# Altium PCB PCB v0.1.PcbDoc (part 1 of 2) (continued)
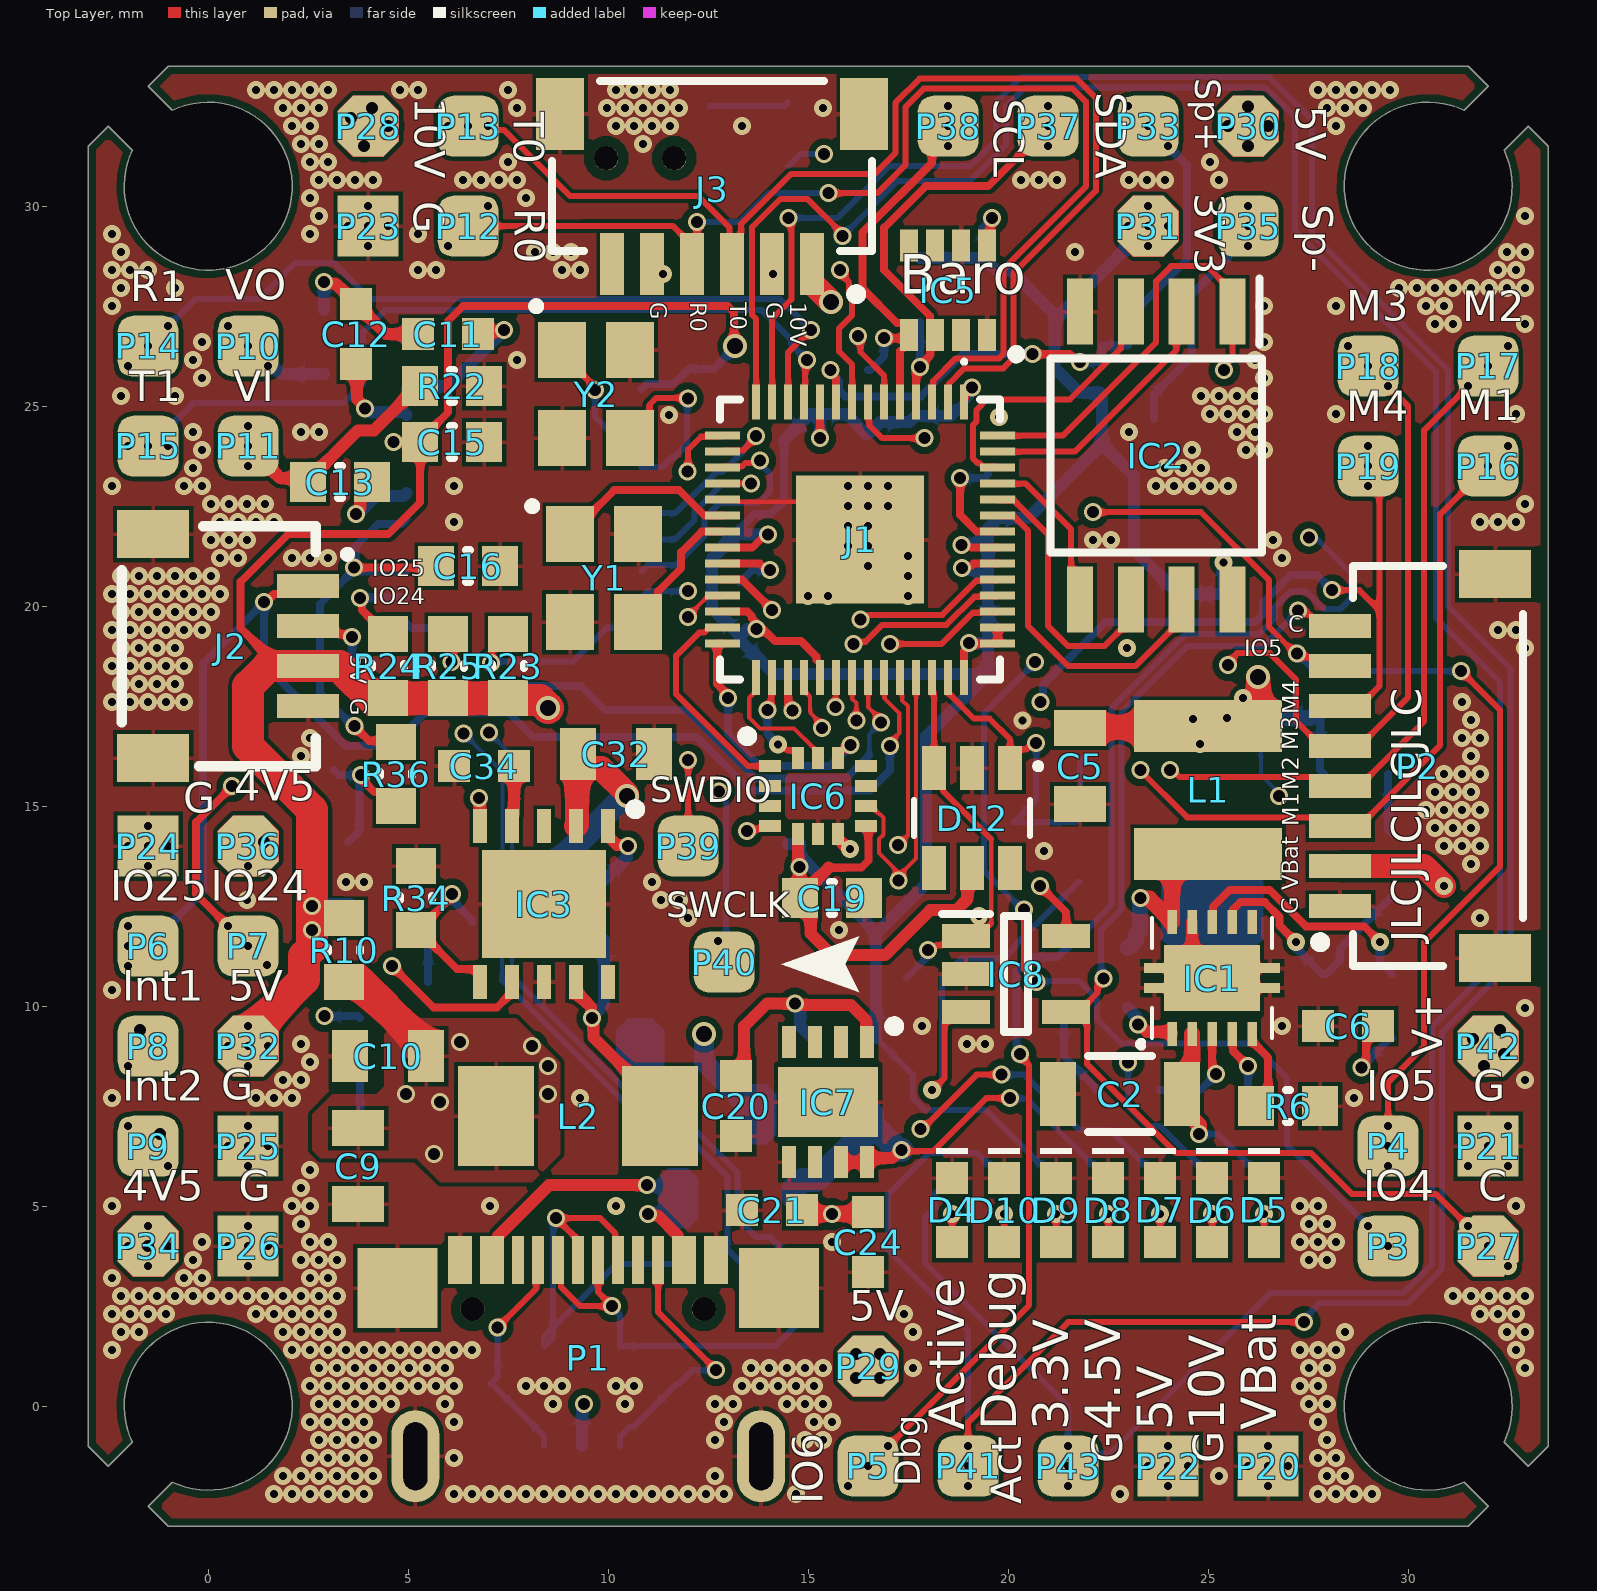
[diagram p0: Top Layer view]
## Components (designator, comment, footprint, x,y, rotation, side; value= is the part's Value field where it differs from the comment) (continued)
P6 "solder pad rounded double sided" "solder pad double sided rounded - duplicate" -1.5,11.5 r0 top
P7 "solder pad rounded double sided" "solder pad double sided rounded - duplicate" 1,11.5 r90 top
P8 "solder pad rounded double sided" "solder pad double sided rounded - duplicate" -1.5,9 r90 top
P9 "solder pad rounded double sided" "solder pad double sided rounded - duplicate" -1.5,6.5 r90 top
P10 "solder pad rounded double sided" "solder pad double sided rounded - duplicate" 1,26.5 r180 top
P11 "solder pad rounded double sided" "solder pad double sided rounded - duplicate" 1,24 r0 top
P12 "solder pad rounded double sided" "solder pad double sided rounded - duplicate" 6.5,29.5 r180 top
P13 "solder pad rounded double sided" "solder pad double sided rounded - duplicate" 6.5,32 r180 top
P14 "solder pad rounded double sided" "solder pad double sided rounded - duplicate" -1.5,26.5 r180 top
P15 "solder pad rounded double sided" "solder pad double sided rounded - duplicate" -1.5,24 r180 top
P16 "solder pad rounded double sided" "solder pad double sided rounded - duplicate" 32,23.5 r90 top
P17 "solder pad rounded double sided" "solder pad double sided rounded - duplicate" 32,26 r90 top
P18 "solder pad rounded double sided" "solder pad double sided rounded - duplicate" 29,26 r90 top
P19 "solder pad rounded double sided" "solder pad double sided rounded - duplicate" 29,23.5 r90 top
P20 "solder pad square double sided" "solder pad double sided square" 26.5,-1.5 r90 top
P21 "solder pad square double sided" "solder pad double sided square" 32,6.5 r0 top
P22 "solder pad square double sided" "solder pad double sided square" 24,-1.5 r90 top
P23 "solder pad square double sided" "solder pad double sided square" 4,29.5 r180 top
P24 "solder pad square double sided" "solder pad double sided square" -1.5,14 r180 top
P25 "solder pad square double sided" "solder pad double sided square" 1,6.5 r180 top
P26 "solder pad square double sided" "solder pad double sided square" 1,4 r90 top
P27 "solder pad chamfered double sided" "solder pad double sided chamfered" 32,4 r90 top
P28 "solder pad chamfered double sided" "solder pad double sided chamfered" 4,32 r180 top
P29 "solder pad chamfered double sided" "solder pad double sided chamfered" 16.5,1 r180 top
P30 "solder pad chamfered double sided" "solder pad double sided chamfered" 26,32 r90 top
P31 "solder pad chamfered double sided" "solder pad double sided chamfered" 23.5,29.5 r0 top
P32 "solder pad chamfered double sided" "solder pad double sided chamfered" 1,9 r90 top
P33 "solder pad rounded double sided" "solder pad double sided rounded - duplicate" 23.5,32 r90 top
P34 "solder pad chamfered double sided" "solder pad double sided chamfered" -1.5,4 r90 top
P35 "solder pad rounded double sided" "solder pad double sided rounded - duplicate" 26,29.5 r90 top
P36 "solder pad chamfered double sided" "solder pad double sided chamfered" 1,14 r90 top
P37 "solder pad rounded double sided" "solder pad double sided rounded - duplicate" 21,32 r90 top
P38 "solder pad rounded double sided" "solder pad double sided rounded - duplicate" 18.5,32 r90 top
P39 "solder pad rounded double sided" "solder pad double sided rounded - duplicate" 12,14 r90 top
P40 "solder pad rounded double sided" "solder pad double sided rounded - duplicate" 12.9,11.1 r90 top
P41 "solder pad rounded double sided" "solder pad double sided rounded - duplicate" 19,-1.5 r0 top
P42 "solder pad chamfered double sided" "solder pad double sided chamfered" 32,9 r0 top
P43 "solder pad rounded double sided" "solder pad double sided rounded - duplicate" 21.5,-1.5 r90 top
R1 "100K" RESC0603(1608)_N 28.7,15.8 r180 bottom
R2 "15K" RESC0603(1608)_N 29.6,13.5 r90 bottom value=12K
R3 "10K" RESC0603(1608)_N 27.9,10 r90 bottom
R4 "27R" RESC0603(1608)_N 12.55,3.55 r180 bottom
R5 "27R" RESC0603(1608)_N 14.675,2.8 r270 bottom
R6 "47K" RESC0603(1608)_N 27,7.5 r180 top value=47R
R7 "5K1" RESC0603(1608)_N 11.75,-0.25 r90 bottom value=5K6
R8 "5K1" RESC0603(1608)_N 7.05,-0.25 r90 bottom value=5K6
R9 "15K" RESC0603(1608)_N 29.6,10 r90 bottom value=12K
R10 "0R" RESC0603(1608)_N 3.4,11.4 r90 top
R11 "5K6" RESC0603(1608)_N 5.5,9.8 r270 bottom value=100K
R12 "47K" RESC0603(1608)_N 5.8,12.1 r180 bottom value=12K
R13 "15K" RESC0603(1608)_N 3.8,8.9 r90 bottom value=12K
R14 "22K" RESC0603(1608)_N 26.4,4.9 r90 bottom
R15 "8K2" RESC0603(1608)_N 25.1,4.9 r90 bottom
R16 "3K3" RESC0603(1608)_N 23.8,4.9 r90 bottom
R17 "3K3" RESC0603(1608)_N 22.5,4.9 r90 bottom
R18 "150R" RESC0603(1608)_N 21.2,4.9 r90 bottom
R19 "150R" RESC0603(1608)_N 19.9,4.9 r90 bottom
R20 "150R" RESC0603(1608)_N 18.6,4.9 r90 bottom
R21 "75R" RESC0603(1608)_N 2.9,26.6 r90 bottom value=750R
R22 "75R" RESC0603(1608)_N 6.1,25.5 r180 top value=750R
R23 "1K" RESC0603(1608)_N 7.5,18.5 r270 top
R24 "1K" RESC0603(1608)_N 4.5,18.5 r270 top
R25 "1K" RESC0603(1608)_N 6,18.5 r270 top
R26 "4K7" RESC0603(1608)_N 16.5,25.1 r270 bottom
R27 "4K7" RESC0603(1608)_N 17.8,27.9 r90 bottom
R28 "100K" RESC0603(1608)_N 21.8,13.9 r270 bottom
R29 "10K" RESC0603(1608)_N 21.9,17 r270 bottom
R30 "33K" RESC0603(1608)_N 19.5,11.2 r90 bottom value=750R
R31 "1K" RESC0603(1608)_N 23,7.9 r0 bottom
R32 "47K" RESC0603(1608)_N 6.7,14.5 r90 bottom value=47R
R33 "0R" RESC0603(1608)_N 15.9,9.2 r0 bottom
R34 "10K" RESC0603(1608)_N 5.2,12.7 r270 top
R35 "0R" RESC0603(1608)_N 21.4,10.6 r270 bottom
R36 "0R" RESC0603(1608)_N 4.7,15.8 r90 top
R37 "1K" RESC0603(1608)_N 14.5,31.8 r90 bottom
S1 "Tactile Switch" "Tactile Switch" 10.8,32.5 r180 bottom
U1 "SN74AHC1G00QDCKRQ1" FP-DCK0005A-IPC_A 23,25.6 r270 bottom
Y1 "SMD-3225_4P_12.288MHZ_12PF_10PPM_-40~+85" SMD3225_4P12288MHZ12PF10PPM4085 9.9,20.7 r270 top
Y2 "L327S270H11L" SMD3225_4P12288MHZ12PF10PPM4085 9.7,25.3 r270 top

## Footprints (in the part's own frame and the unit in brackets; to place one, negate y for a bottom-side part, rotate by r counter-clockwise, add the part's x,y. Pads: shape width x height; smd on the part's side, far side on the other; paste and mask are expansions set on the pad)
CAPC0603(1608)55_N [mm] "Chip Capacitor, Body 1.6x0.8mm, Height 0.55mm, IPC Medium Density"
  rect 0.9x1 smd: 1(-0.8,0) 2(0.8,0)
  silkscreen extent -0.05,-0.4 0.05,0.4, body extent -0.87,-0.48 0.88,0.47, height 0.55
FAUL0518-2R2MT [mm]
  rect 2.5x1.9 smd: 1(0,2.05) 2(0,-2.05)
  body extent -2.6,-2.7 2.6,2.7, height 1.6
FP-BLM18-0_15-t0_8-MFG [mm]
  rect 0.8x0.8 smd paste+0 mask+0: 1(-0.9,0) 2(0.9,0)
  silkscreen extent -0.87,-0.72 0.87,0.72, body extent -0.8,-0.4 0.8,0.4, height 0.95
FP-DCK0005A-IPC_A [mm]
  rect 1.677x0.416 smd paste+0 mask+0: 1(-0.914,0.65)
  rrect100% 1.677x0.416 smd paste+0 mask+0: 2(-0.914,0) 3(-0.914,-0.65) 4(0.914,-0.65) 5(0.914,0.65)
  silkscreen extent -2.45,-1.25 1.05,1.25
GT-USB-7047B [mm]
  rect 0.6x1.2 smd: 1(-3.2,4.9) 2(-2.4,4.9) 11(2.4,4.9) 12(3.2,4.9)
  rect 0.3x1.2 smd: 3(-1.75,4.9) 4(-1.25,4.9) 5(-0.75,4.9) 6(-0.25,4.9) 7(0.25,4.9) 8(0.75,4.9) 9(1.25,4.9) 10(1.75,4.9)
  oval 1.2x2.3 hole 0.6 slot 1.7 at 90 deg: 13(-4.32,0) 14(4.32,0)
  rect 2x2 smd: 15(-4.77,4.2) 16(4.77,4.2)
  round 0.6 hole 0.6 unplated: 17(-2.89,3.68) 17(2.89,3.68)
  body extent -4.3,-1.2 4.4,4.9, height 2.4
GZP6816D [mm]
  rect 0.8x0.45 smd: 1(1.125,0.975) 2(1.125,0.325) 3(1.125,-0.325) 4(1.125,-0.975) 5(-1.117,-0.975) 6(-1.117,-0.325) 7(-1.117,0.325) 8(-1.117,0.975)
  silkscreen extent 1.5,1.6 1.7,1.8
JST-SM06B-SRSS-TB_V [mm] "SMD, 6-Leads, Body 8x4.25mm, Pitch 1mm"
  rect 0.6x1.55 smd: 1(-2.5,2.45) 2(-1.5,2.45) 3(-0.5,2.45) 4(0.5,2.45) 5(1.5,2.45) 6(2.5,2.45)
  rect 1.2x1.8 smd: MP1(-3.8,-1.3) MP2(3.8,-1.3)
  silkscreen extent -4,-2.12 4,3.32, body extent -4,-2.12 4,2.83, height 2.96
JST-SM08B-SRSS-TB_V [mm] "SMD, 8-Leads, Body 10x4.25mm, Pitch 1mm"
  rect 0.6x1.55 smd: 1(-3.5,2.45) 2(-2.5,2.45) 3(-1.5,2.45) 4(-0.5,2.45) 5(0.5,2.45) 6(1.5,2.45) 7(2.5,2.45) 8(3.5,2.45)
  rect 1.2x1.8 smd: MP1(-4.8,-1.425) MP2(4.8,-1.425)
  silkscreen extent -5,-2.12 5,3.07, body extent -5,-2.12 5,2.83, height 2.96
MAI4020S-4R7MT [mm]
  rect 3.7x1.3 smd: 1(0,1.6) 2(0,-1.6)
  body extent -2,-2 2,2, height 2
QFN50P300X250X87-14N [mm]
  rect 0.55x0.3 smd: 1(-1.2,0.75) 2(-1.2,0.25) 3(-1.2,-0.25) 4(-1.2,-0.75) 8(1.2,-0.75) 9(1.2,-0.25) 10(1.2,0.25) 11(1.2,0.75)
  rect 0.3x0.55 smd: 5(-0.5,-0.95) 6(0,-0.95) 7(0.5,-0.95) 12(0.5,0.95) 13(0,0.95) 14(-0.5,0.95)
  silkscreen extent -1.9,1.38 -1.65,1.62, body extent -1.55,-1.3 1.55,1.3, height 0.87
RESC0603(1608)_N [mm] "Chip Resistor, Body 1.6x0.8mm, IPC Medium Density"
  rect 0.9x1 smd: 1(-0.8,0) 2(0.8,0)
  silkscreen extent -0.05,-0.4 0.05,0.4, body extent -0.85,-0.47 0.85,0.47, height 0.6
SC091413 [mm]
  rect 0.875x0.2 smd: 1(-3.438,2.6) 2(-3.438,2.2) 3(-3.438,1.8) 4(-3.438,1.4) 5(-3.438,1) 6(-3.438,0.6) 7(-3.438,0.2) 8(-3.438,-0.2) 9(-3.438,-0.6) 10(-3.438,-1) 11(-3.438,-1.4) 12(-3.438,-1.8) 13(-3.438,-2.2) 14(-3.438,-2.6) 29(3.438,-2.6) 30(3.438,-2.2) 31(3.438,-1.8) 32(3.438,-1.4) 33(3.438,-1) 34(3.438,-0.6) 35(3.438,-0.2) 36(3.438,0.2) 37(3.438,0.6) 38(3.438,1) 39(3.438,1.4) 40(3.438,1.8) 41(3.438,2.2) 42(3.438,2.6)
  rect 0.2x0.875 smd: 15(-2.6,-3.438) 16(-2.2,-3.438) 17(-1.8,-3.438) 18(-1.4,-3.438) 19(-1,-3.438) 20(-0.6,-3.438) 21(-0.2,-3.438) 22(0.2,-3.438) 23(0.6,-3.438) 24(1,-3.438) 25(1.4,-3.438) 26(1.8,-3.438) 27(2.2,-3.438) 28(2.6,-3.438) 43(2.6,3.438) 44(2.2,3.438) 45(1.8,3.438) 46(1.4,3.438) 47(1,3.438) 48(0.6,3.438) 49(0.2,3.438) 50(-0.2,3.438) 51(-0.6,3.438) 52(-1,3.438) 53(-1.4,3.438) 54(-1.8,3.438) 55(-2.2,3.438) 56(-2.6,3.438)
  rect 3.2x3.2 smd: 57(0,0)
  silkscreen extent -4.5,-3.5 3.5,3.5, body extent -3.86,-3.86 3.86,3.86, height 1
SL16 [mm]
  round 0.025 smd: 1(-1.45,0)
  rect 1x1.5 smd: 2(1.45,0)
  Top Layer region: -1.95,-0.5 -1.7,-0.75 -1.2,-0.75 -0.95,-0.5 -0.95,0.5 -1.2,0.75 -1.7,0.75 -1.95,0.5
  silkscreen extent 2.2,-0.9 2.2,0.9, body extent -1.4,-0.95 1.4,0.95, height 1.1
SM04B-SRSS-TB(LFSN) [mm]
  rect 0.6x1.55 smd: 1(1.5,4.661) 2(2.5,4.661) 3(3.5,4.661) 4(4.5,4.661)
  rect 1.2x1.8 smd: 5(0.2,0.786) 6(5.8,0.786)
  silkscreen extent 0,0 6,5.7, body extent 0,0.28 6,5.23, height 2.97
SMD3225_4P12288MHZ12PF10PPM4085 [mm]
  rect 1.4x1.2 smd: 1(-1.1,-0.85) 2(1.1,-0.85) 3(1.1,0.85) 4(-1.1,0.85)
  silkscreen extent -1.9,-1.9 -1.7,-1.7, body extent -1.68,-1.33 1.68,1.33, height 0.9
SOIC127P790X216-8N [mm]
  rect 1.65x0.65 smd: 1(-3.6,1.905) 2(-3.6,0.635) 3(-3.6,-0.635) 4(-3.6,-1.905) 5(3.6,-1.905) 6(3.6,-0.635) 7(3.6,0.635) 8(3.6,1.905)
  silkscreen extent -4.43,-2.64 2.42,2.64, body extent -3.95,-2.64 3.95,2.64, height 2.16
"solder pad double sided chamfered" [mil]
  oct 60x60 smd: 1(0,0)
  round 1 smd far side: 2(0,0)
  Top Layer region: -15,-30 -30,-15 -30,15 -15,30 15,30 30,15 30,-15 15,-30
  Bottom Layer region: -15,-30 -30,-15 -30,15 -15,30 15,30 30,15 30,-15 15,-30
"solder pad double sided rounded - duplicate" [mil]
  rrect50% 60x60 smd: 1(0,0)
  rrect50% 60x60 smd far side: 2(0,0)
"solder pad double sided square" [mil]
  rect 60x60 smd: 1(0,0)
  rect 60x60 smd far side: 2(0,0)
SON65P300X300X100-9N-D [mm]
  rect 0.8x0.35 smd: 1(-1.5,0.975) 2(-1.5,0.325) 3(-1.5,-0.325) 4(-1.5,-0.975) 5(1.5,-0.975) 6(1.5,-0.325) 7(1.5,0.325) 8(1.5,0.975)
  rect 1.75x2.5 smd: 9(0,0)
  silkscreen extent -2.02,1.53 -1.78,1.78, body extent -1.5,-1.5 1.5,1.5, height 1
SON80P400X400X80-11N [mm]
  rect 0.85x0.35 smd: 1(-1.95,1.6) 2(-1.95,0.8) 3(-1.95,0) 4(-1.95,-0.8) 5(-1.95,-1.6) 6(1.95,-1.6) 7(1.95,-0.8) 8(1.95,0) 9(1.95,0.8) 10(1.95,1.6)
  rect 2.7x3.1 smd: 11(0,0)
  silkscreen extent -2.5,2.15 -2.25,2.4, body extent -2,-2 2,2, height 0.8
SOP65P640X120-29N [mm]
  rect 1.475x0.45 smd: 1(-2.938,4.225) 2(-2.938,3.575) 3(-2.938,2.925) 4(-2.938,2.275) 5(-2.938,1.625) 6(-2.938,0.975) 7(-2.938,0.325) 8(-2.938,-0.325) 9(-2.938,-0.975) 10(-2.938,-1.625) 11(-2.938,-2.275) 12(-2.938,-2.925) 13(-2.938,-3.575) 14(-2.938,-4.225) 15(2.938,-4.225) 16(2.938,-3.575) 17(2.938,-2.925) 18(2.938,-2.275) 19(2.938,-1.625) 20(2.938,-0.975) 21(2.938,-0.325) 22(2.938,0.325) 23(2.938,0.975) 24(2.938,1.625) 25(2.938,2.275) 26(2.938,2.925) 27(2.938,3.575) 28(2.938,4.225)
  rect 2.75x6.2 smd: 29(0,0)
  silkscreen extent -3.67,4.8 -2.2,4.8, body extent -3.2,-4.85 3.2,4.85, height 1.2
SOT95P280X145-5N [mm]
  rect 1.2x0.6 smd: 1(-1.25,0.95) 2(-1.25,0) 3(-1.25,-0.95) 4(1.25,-0.95) 5(1.25,0.95)
  silkscreen extent -1.85,-1.45 0.3,1.5, body extent -1.4,-1.45 1.4,1.45, height 1.2
SS54F [mm]
  round 0.025 smd: 1(-1.8,0)
  rect 1.2x1.6 smd: 2(1.8,0)
  Top Layer region: -2.4,-0.5 -2.1,-0.8 -1.5,-0.8 -1.2,-0.5 -1.2,0.5 -1.5,0.8 -2.1,0.8 -2.4,0.5
  silkscreen extent 2.7,-0.9 2.7,0.9, body extent -1.85,-1.35 1.85,1.35, height 1.1
SSL36BF [mm]
  round 0.025 smd: 1(-2.4,0)
  rect 1.8x2.54 smd: 2(2.4,0)
  Top Layer region: -3.3,-1.09 -3.12,-1.27 -1.68,-1.27 -1.5,-1.09 -1.5,1.09 -1.68,1.27 -3.12,1.27 -3.3,1.09
  silkscreen extent 3.8,-1.3 3.8,1.3, body extent -2.2,-1.85 2.2,1.85, height 1.3
"Tactile Switch" [mm]
  rect 0.7x1.1 smd: 1(-1.75,0) 2(1.75,0)
  rect 0.6x1.2 smd: 3(-2.2,-1.45) 4(2.2,-1.45)
  round 0.6 hole 0.6 unplated: ""(-0.85,-1.3) ""(0.85,-1.3)
TPS54040ADRCT [mm]
  rect 0.6x0.24 smd: 1(-1.4,1) 2(-1.4,0.5) 3(-1.4,0) 4(-1.4,-0.5) 5(-1.4,-1) 6(1.4,-1) 7(1.4,-0.5) 8(1.4,0) 9(1.4,0.5) 10(1.4,1)
  rect 1.65x2.4 smd: 11(0,0)
  rect 0.25x0.5 smd: 12(-0.25,-1.45) 13(0.25,-1.45) 14(0.25,1.45) 15(-0.25,1.45)
  silkscreen extent -1.71,-1.5 1.5,1.83, body extent -1.5,-1.5 1.5,1.5, height 1
WCAP-CSGP_0603_L1.6W0.8H0.8_Reflow [mm] "Ceramic Capacitors, body 1.6x0.8mm"
  rect 0.8x0.8 smd: 1(-0.75,0) 2(0.75,0)
  body extent -0.8,-0.4 0.8,0.4, height 0.8
WCAP-CSGP_0805_L2W1.25H1.25 [mm] "Ceramic Capacitors, body 2x1.25mm"
  rect 0.9x1.3 smd: 1(-0.95,0) 2(0.95,0)
  body extent -1,-0.63 1,0.63, height 1.25
WCAP-CSGP_1206_L3.2W1.6H1.6 [mm] "Ceramic Capacitors, body 3.2x1.6mm"
  rect 0.9x1.6 smd: 1(-1.55,0) 2(1.55,0)
  silkscreen extent -0.8,-0.95 0.8,0.95, body extent -1.6,-0.8 1.6,0.8, height 1.6
WE-TVS_SOT23-6L [mm] "TVS Diode, package SOT23-6L"
  rect 0.6x1.1 smd: 1(-0.95,-1.25) 2(0,-1.25) 3(0.95,-1.25) 4(0.95,1.25) 5(0,1.25) 6(-0.95,1.25)
  silkscreen extent -1.72,-1.37 1.45,0.45, body extent -1.45,-1.4 1.45,1.4, height 1.16
WL-SMCW_0603_150060xx75000 [mm] "SMD Mono-color Chip LED, body 1.6x0.8mm"
  rect 0.8x0.8 smd: 1(-0.8,0) 2(0.8,0)
  silkscreen extent -1.55,-0.4 -1.4,0.4, body extent -0.8,-0.4 0.8,0.4, height 0.7

## Part data
C1 C7: library part 885012206046, "WCAP-CSGP Multilayer Ceramic Chip Capacitor, General Purpose, size 0603, X7R, 100nF, 16VDC", Capacitance Tolerance=+/-10%, Case/Size Code=0603, Insulation Resistance=5GΩ, Manufacturer="Wurth Elektronik", Operating Temperature Max=125°C, Operating Temperature Min=-55°C, Rated Voltage (DC)=16V, Capacitance=100nF, Category="Multilayer Ceramic Chip Capacitors", Ceramic Type=X7R, ComponentLink1Description="Website Link", ComponentLink1URL=https://www.we-online.com/redexpert/article/885012206046?ad, ComponentLink2Description="Datasheet Link", ComponentLink2URL=https://www.we-online.com/redexpert/spec/885012206046?ad, Dissipation Factor=3.5%, Height=0.8mm, Length=1.6mm, Manufacturer Part Number=885012206046, Match Code=WCAP-CSGP, Mount="Surface Mount", Packaging="Tape and Reel", Technical Reference=X7R0603104K016DFCT10000, Width=0.8mm
C2: library part 885012208124, "TDK C3216X7S2A335KT000N / 3.3µF MLCC 1206 100V X7S", Capacitance=2.2µF, Capacitance Tolerance=+/-10%, Case/Size Code=1206, Insulation Resistance=0.05GΩ, Manufacturer="Wurth Elektronik", Operating Temperature Max=125°C, Operating Temperature Min=-55°C, Rated Voltage (DC)=100V, Category="Multilayer Ceramic Chip Capacitors", Ceramic Type=X7R, ComponentLink1Description="Website Link", ComponentLink1URL=https://www.we-online.com/redexpert/article/885012208124?ad, ComponentLink2Description="Datasheet Link", ComponentLink2URL=https://www.we-online.com/redexpert/spec/885012208124?ad, Dissipation Factor=5%, Height=1.6mm, Length=3.2mm, Manufacturer Part Number=885012208124, Match Code=WCAP-CSGP, Mount="Surface Mount", Packaging="Tape and Reel", Technical Reference=X7R1206225K100DFCT10000, Width=1.6mm
C3 C34: library part 885012206040, "WCAP-CSGP Multilayer Ceramic Chip Capacitor, General Purpose, size 0603, X7R, 10nF, 16VDC", Capacitance Tolerance=+/-10%, Case/Size Code=0603, Insulation Resistance=10GΩ, Manufacturer="Wurth Elektronik", Operating Temperature Max=125°C, Operating Temperature Min=-55°C, Rated Voltage (DC)=16V, Capacitance=10nF, Category="Multilayer Ceramic Chip Capacitors", Ceramic Type=X7R, ComponentLink1Description="Website Link", ComponentLink1URL=https://www.we-online.com/redexpert/article/885012206040?ad, ComponentLink2Description="Datasheet Link", ComponentLink2URL=https://www.we-online.com/redexpert/spec/885012206040?ad, Dissipation Factor=3.5%, Height=0.8mm, Length=1.6mm, Manufacturer Part Number=885012206040, Match Code=WCAP-CSGP, Mount="Surface Mount", Packaging="Tape and Reel", Technical Reference=X7R0603103K016DFCT10000, Width=0.8mm
C4 C5 C8 C9 C10 C31: library part 885012107013, "CL21A475KAQNNNG", Capacitance Tolerance=+/-20%, Case/Size Code=0805, Insulation Resistance=0.02GΩ, Manufacturer="Wurth Elektronik", Operating Temperature Max=85°C, Operating Temperature Min=-55°C, Rated Voltage (DC)=16V, Capacitance=4.7µF, Category="Multilayer Ceramic Chip Capacitors", Ceramic Type=X5R, ComponentLink1Description="Website Link", ComponentLink1URL=https://www.we-online.com/redexpert/article/885012107013?ad, ComponentLink2Description="Datasheet Link", ComponentLink2URL=https://www.we-online.com/redexpert/spec/885012107013?ad, Dissipation Factor=10%, Height=1.25mm, Length=2mm, Manufacturer Part Number=885012107013, Match Code=WCAP-CSGP, Mount="Surface Mount", Packaging="Tape and Reel", Technical Reference=X5R0805475M016DFCT10000, Width=1.25mm
C6 C35: library part 885012006030, "TCC0603COG2R5C500CT", Capacitance=4.7pF, Capacitance Tolerance=+/-0.5pF, Case/Size Code=0603, Insulation Resistance=10GΩ, Manufacturer="Wurth Elektronik", Operating Temperature Max=125°C, Operating Temperature Min=-55°C, Rated Voltage (DC)=25V, Category="Multilayer Ceramic Chip Capacitors", Ceramic Type=NP0, ComponentLink1Description="Website Link", ComponentLink1URL=https://www.we-online.com/redexpert/article/885012006030?ad, ComponentLink2Description="Datasheet Link", ComponentLink2URL=https://www.we-online.com/redexpert/spec/885012006030?ad, Height=0.8mm, Length=1.6mm, Manufacturer Part Number=885012006030, Match Code=WCAP-CSGP, Mount="Surface Mount", Packaging="Tape and Reel", Q Factor=494, Technical Reference=NP006034R7D025DFCT10000, Width=0.8mm
C11 C12: library part 885012106031, "WCAP-CSGP Multilayer Ceramic Chip Capacitor, General Purpose, size 0603, X5R, 10µF, 25VDC", Capacitance Tolerance=+/20%, Case/Size Code=0603, Insulation Resistance=0.01GΩ, Manufacturer="Wurth Elektronik", Operating Temperature Max=85°C, Operating Temperature Min=-55°C, Rated Voltage (DC)=25V, Capacitance=10µF, Category="Multilayer Ceramic Chip Capacitors", Ceramic Type=X5R, ComponentLink1Description="Website Link", ComponentLink1URL=https://www.we-online.com/redexpert/article/885012106031?ad, ComponentLink2Description="Datasheet Link", ComponentLink2URL=https://www.we-online.com/redexpert/spec/885012106031?ad, Dissipation Factor=20%, Height=0.8mm, Length=1.6mm, Manufacturer Part Number=885012106031, Match Code=WCAP-CSGP, Mount="Surface Mount", Packaging="Tape and Reel", Technical Reference=X5R0603106M025DFCT10000, Width=0.8mm
C13 C14 C15 C16 C17 C18 C19 C25 C26 C27 C28 C29 C30 C37 C38 C39 C40 C42: library part "Cap 100n", "Keramikvielschichtkondensator, SMD, Baureihe MC, ± 20%", Manufacturer=Multicomp, OC_FARNELL=1759038, PackageReference=0603
C20 C21 C36: library part 885012206026, "WCAP-CSGP Multilayer Ceramic Chip Capacitor, General Purpose, size 0603, X7R, 1µF, 10VDC", Capacitance Tolerance=+/-10%, Case/Size Code=0603, Insulation Resistance=0.1GΩ, Manufacturer="Wurth Elektronik", Operating Temperature Max=125°C, Operating Temperature Min=-55°C, Rated Voltage (DC)=10V, Capacitance=1µF, Category="Multilayer Ceramic Chip Capacitors", Ceramic Type=X7R, ComponentLink1Description="Website Link", ComponentLink1URL=https://www.we-online.com/redexpert/article/885012206026?ad, ComponentLink2Description="Datasheet Link", ComponentLink2URL=https://www.we-online.com/redexpert/spec/885012206026?ad, Dissipation Factor=10%, Height=0.8mm, Length=1.6mm, Manufacturer Part Number=885012206026, Match Code=WCAP-CSGP, Mount="Surface Mount", Packaging="Tape and Reel", Technical Reference=X7R0603105K010DFCT10000, Width=0.8mm
C22 C23 C24: library part 885012106017, "WCAP-CSGP Multilayer Ceramic Chip Capacitor, General Purpose, size 0603, X5R, 1µF, 16VDC", Capacitance Tolerance=+/-20%, Case/Size Code=0603, Insulation Resistance=0.1GΩ, Manufacturer="Wurth Elektronik", Operating Temperature Max=85°C, Operating Temperature Min=-55°C, Rated Voltage (DC)=16V, Capacitance=1µF, Category="Multilayer Ceramic Chip Capacitors", Ceramic Type=X5R, ComponentLink1Description="Website Link", ComponentLink1URL=https://www.we-online.com/redexpert/article/885012106017?ad, ComponentLink2Description="Datasheet Link", ComponentLink2URL=https://www.we-online.com/redexpert/spec/885012106017?ad, Dissipation Factor=10%, Height=0.8mm, Length=1.6mm, Manufacturer Part Number=885012106017, Match Code=WCAP-CSGP, Mount="Surface Mount", Packaging="Tape and Reel", Technical Reference=X5R0603105M016DFCT10000, Width=0.8mm
C32 C33: library part 885012107013, "CL21B225KBYNNNE", Capacitance=4.7µF, Capacitance Tolerance=+/-20%, Case/Size Code=0805, Insulation Resistance=0.02GΩ, Manufacturer="Wurth Elektronik", Operating Temperature Max=85°C, Operating Temperature Min=-55°C, Rated Voltage (DC)=16V, Category="Multilayer Ceramic Chip Capacitors", Ceramic Type=X5R, ComponentLink1Description="Website Link", ComponentLink1URL=https://www.we-online.com/redexpert/article/885012107013?ad, ComponentLink2Description="Datasheet Link", ComponentLink2URL=https://www.we-online.com/redexpert/spec/885012107013?ad, Dissipation Factor=10%, Height=1.25mm, Length=2mm, Manufacturer Part Number=885012107013, Match Code=WCAP-CSGP, Mount="Surface Mount", Packaging="Tape and Reel", Technical Reference=X5R0805475M016DFCT10000, Width=1.25mm
D3 D12: library part 824015043, "Shenzhen JingYang TT0514VL", (Reverse) Breakdown Voltage=4.5V, (Reverse) Peak Pulse Current=30A, Case/Size Code=SOT23-6L, Channel ESD Clamping Voltage=7.5V, Channel Input Capacitance=2pF, Channel Reverse Leakage Current=1µA, Manufacturer="Wurth Elektronik", Operating Temperature Max=125°C, Operating Temperature Min=-55°C, Category="ESD Protection", Channel Operating Voltage=3.3V, ComponentLink1Description="Website Link", ComponentLink1URL=https://www.we-online.com/redexpert/article/824015043?ad, ComponentLink2Description="Datasheet Link", ComponentLink2URL=https://www.we-online.com/redexpert/spec/824015043?ad, ESD Air Discharge Capability=30kV, ESD Contact Discharge Capability=30kV, Height=1.45mm, Length=2.9mm, Manufacturer Part Number=824015043, Match Code=WE-TVS, Mount="Surface Mount", Number of Channels=4+1, Packaging="Tape and Reel", Polarity=Unidirectional, Width=2.8mm
D4 D7 D8: library part 150060YS75000, "WL-SMCW Mono-color Chip LED Waterclear, size 0603, Yellow, 2V, 140°", Case/Size Code=0603, Emitting Color=Yellow, Forward Voltage=2V, Manufacturer="Wurth Elektronik", Operating Temperature Max=85°C, Operating Temperature Min=-40°C, Category="Signal LEDs", Chip Technology=AlInGaP, ComponentLink1Description="Website Link", ComponentLink1URL=https://www.we-online.com/redexpert/article/150060YS75000?ad, ComponentLink2Description="Datasheet Link", ComponentLink2URL=https://www.we-online.com/redexpert/spec/150060YS75000?ad, Dominant Wavelength=590nm, Height=0.7mm, Length=1.6mm, Luminous Intensity=120mcd, Manufacturer Part Number=150060YS75000, Match Code=WL-SMCW, Mount="Surface Mount", Packaging="Tape and Reel", Peak Wavelength=595nm, Viewing Angle=140°, Width=0.8mm
D5: library part 150060RS75000, "WL-SMCW Mono-color Chip LED Waterclear, size 0603, Red, 2V, 140°", Case/Size Code=0603, Emitting Color=Red, Forward Voltage=2V, Manufacturer="Wurth Elektronik", Operating Temperature Max=85°C, Operating Temperature Min=-40°C, Category="Signal LEDs", Chip Technology=AlInGaP, ComponentLink1Description="Website Link", ComponentLink1URL=https://www.we-online.com/redexpert/article/150060RS75000?ad, ComponentLink2Description="Datasheet Link", ComponentLink2URL=https://www.we-online.com/redexpert/spec/150060RS75000?ad, Dominant Wavelength=625nm, Height=0.7mm, Length=1.6mm, Luminous Intensity=250mcd, Manufacturer Part Number=150060RS75000, Match Code=WL-SMCW, Mount="Surface Mount", Packaging="Tape and Reel", Peak Wavelength=630nm, Viewing Angle=140°, Width=0.8mm
D6: library part 150060AS75000, "WL-SMCW Mono-color Chip LED Waterclear, size 0603, Amber, 2V, 140°", Case/Size Code=0603, Emitting Color=Amber, Forward Voltage=2V, Manufacturer="Wurth Elektronik", Operating Temperature Max=85°C, Operating Temperature Min=-40°C, Category="Signal LEDs", Chip Technology=AlInGaP, ComponentLink1Description="Website Link", ComponentLink1URL=https://www.we-online.com/redexpert/article/150060AS75000?ad, ComponentLink2Description="Datasheet Link", ComponentLink2URL=https://www.we-online.com/redexpert/spec/150060AS75000?ad, Dominant Wavelength=605nm, Height=0.7mm, Length=1.6mm, Luminous Intensity=130mcd, Manufacturer Part Number=150060AS75000, Match Code=WL-SMCW, Mount="Surface Mount", Packaging="Tape and Reel", Peak Wavelength=610nm, Viewing Angle=140°, Width=0.8mm
D9 D10: library part 150060BS75000, "WL-SMCW Mono-color Chip LED Waterclear, size 0603, Blue, 3.2V, 140°", Case/Size Code=0603, Emitting Color=Blue, Forward Voltage=3.2V, Manufacturer="Wurth Elektronik", Operating Temperature Max=85°C, Operating Temperature Min=-40°C, Category="Signal LEDs", Chip Technology=InGaN, ComponentLink1Description="Website Link", ComponentLink1URL=https://www.we-online.com/redexpert/article/150060BS75000?ad, ComponentLink2Description="Datasheet Link", ComponentLink2URL=https://www.we-online.com/redexpert/spec/150060BS75000?ad, Dominant Wavelength=470nm, Height=0.7mm, Length=1.6mm, Luminous Intensity=145mcd, Manufacturer Part Number=150060BS75000, Match Code=WL-SMCW, Mount="Surface Mount", Packaging="Tape and Reel", Peak Wavelength=465nm, Viewing Angle=140°, Width=0.8mm
FB1: library part CMP-0686-00354-3, "Chip Ferrite Bead, 0603, 600Ω @ 100MHz, 0.35Ω, 25%, 500mA", Case Code (Imperial)=0603, Case Code (Metric)=1608, Current Rating=500mA, DC Resistance (DCR)=350mR, Frequency=100MHz, Manufacturer Series=BLM18E, Max Operating Temperature=125°C, Min Operating Temperature=-55°C, Package Quantity=1, Tolerance=25%, Case/Package=0603, Contact Plating=Tin, Core Material=Ferrite, DC Current=500mA, DC Resistance-Max=350mR, Depth=0.8mm, Height=0.8mm, Impedance=600R, Lead Free="Lead Free", Length=1.6mm, Material=Steel, Max Current Rating=500mA, Max DC Current=500mA, Military Standard=Not, Number of Circuits=1, Number of Functions=1, Number of Lines=1, Number of Pins=2, Packaging="Tape and Reel", Radiation Hardening=No, REACH SVHC="No SVHC", Resistance=350mR, RoHS Compliant=Yes, Series=BLM18E, Shielding=Unshielded, Terminal Finish=Tin, Termination=SMD/SMT, Test Frequency=100MHz, Width=0.8mm
IC1: "Integrated Circuit", Manufacturer_Name="Texas Instruments", Mouser Part Number=595-TPS54260DRCR, Arrow Part Number=TPS54260DRCR, Arrow Price/Stock=https://www.arrow.com/en/products/tps54260drcr/texas-instruments?region=nac, Datasheet Link=http://www.ti.com/lit/gpn/TPS54040A, Height=1mm, Manufacturer_Part_Number=TPS54260DRCR, Mouser Price/Stock=https://www.mouser.co.uk/ProductDetail/Texas-Instruments/TPS54260DRCR?qs=O1HRStiETChM7xK%2FSiuP6w%3D%3D
IC2: "Integrated Circuit", Manufacturer_Name=Winbond, Mouser Part Number=454-W25Q16JVSSIQ, Arrow Part Number=W25Q16JVSSIQ, Arrow Price/Stock=https://www.arrow.com/en/products/w25q16jvssiq/winbond-electronics?region=nac, Datasheet Link=https://www.winbond.com/hq/search-resource-file.jsp?partNo=W25Q16JVSSIQ&type=datasheet, Height=2.16mm, Manufacturer_Part_Number=W25Q16JVSSIQ, Mouser Price/Stock=https://www.mouser.co.uk/ProductDetail/Winbond/W25Q16JVSSIQ?qs=qSfuJ%252Bfl%2Fd46L%2F1QrQC%2Fog%3D%3D
IC3: "Integrated Circuit", Manufacturer_Name="Texas Instruments", Datasheet Link=http://www.ti.com/lit/gpn/tps54561-q1, Height=0.8mm, Manufacturer_Part_Number=TPS54561-Q1
IC4: "Integrated Circuit", Manufacturer_Name=ICOF, Datasheet Link=https://datasheet.lcsc.com/szlcsc/ZHONGKEWEI-AT7456E_C82351.pdf, Height=1.2mm, Manufacturer_Part_Number=AT7456E
IC6: "Integrated Circuit", Manufacturer_Name=BOSCH, Mouser Part Number=262-BMI270, Arrow Part Number=BMI270, Arrow Price/Stock=https://www.arrow.com/en/products/bmi270/bosch?region=nac, Datasheet Link=https://www.mouser.de/datasheet/2/783/BST-BMI270-FL000-1530947.pdf, Height=0.87mm, Manufacturer_Part_Number=BMI270, Mouser Price/Stock=https://www.mouser.co.uk/ProductDetail/Bosch-Sensortec/BMI270?qs=u16ybLDytRYIj%252BjQEee88A%3D%3D
IC7: "Integrated Circuit", Manufacturer_Name="Texas Instruments", Mouser Part Number=595-TPS78533QWDRBRQ1, Arrow Part Number=TPS78533QWDRBRQ1, Arrow Price/Stock=https://www.arrow.com/en/products/tps78533qwdrbrq1/texas-instruments?region=nac, Datasheet Link=https://www.arrow.com/en/products/tps78533qwdrbrq1/texas-instruments?region=nac, Height=1mm, Manufacturer_Part_Number=TPS78533QWDRBRQ1, Mouser Price/Stock=https://www.mouser.co.uk/ProductDetail/Texas-Instruments/TPS78533QWDRBRQ1?qs=iLbezkQI%252BsiNbdqh2Ko9GQ%3D%3D
IC8: "Integrated Circuit", Arrow Part Number=INA139NA/250, Manufacturer_Name="Texas Instruments", Mouser Part Number=595-INA139NA/250, Arrow Price/Stock=https://www.arrow.com/en/products/ina139na250/texas-instruments?region=nac, Datasheet Link=http://www.ti.com/lit/ds/symlink/ina139.pdf, Height=1.45mm, Manufacturer_Part_Number=INA139NA/250, Mouser Price/Stock=https://www.mouser.co.uk/ProductDetail/Texas-Instruments/INA139NA-250?qs=VBduBm9rCJQSYOixXF05Zw%3D%3D
J1: "Connector", Manufacturer_Name=RASPBERRY-PI, Manufacturer_Part_Number=SC0914(13), Mouser Part Number=358-SC091413, Datasheet Link=https://datasheets.raspberrypi.com/rp2040/rp2040-datasheet.pdf, Height=0.9mm, Mouser Price/Stock=https://www.mouser.co.uk/ProductDetail/Raspberry-Pi/SC091413?qs=T%252BzbugeAwjhr%252BUbBr3TJcw%3D%3D
J2: "Connector", Arrow Part Number=SM04B-SRSS-TB(LF)(SN), Manufacturer_Name="JST (JAPAN SOLDERLESS TERMINALS)", Arrow Price/Stock=https://www.arrow.com/en/products/sm04b-srss-tb-lf-sn/jst-manufacturing?region=europe, Datasheet Link=http://www.jst-mfg.com/product/pdf/eng/eSH.pdf, Manufacturer_Part_Number=SM04B-SRSS-TB(LF)(SN)
J3: library part CMP-2000-07080-1, "Male Header, Pitch 1 mm, 1 x 6 Position, Height 2.95 mm, -25 to 85 degC, RoHS, Tape and Reel", Manufacturer=JST, Package Description="Male Header, Pitch 1 mm, 1 X 6 Position, Height 2.9 mm", Package Reference=SM06B-SRSS-TB, Datasheet URL=https://datasheet.ciiva.com/26894/getdatasheetpartid-708885-26894671.pdf, Datasheet Version=11/2010, Manufacturer URL=http://www.jst.com/home2.html, Mounting Technology=SurfaceMount, No of Positions=6, Pitch=1mm, Style/Orientation=RightAngleHeader/Plug, Termination=Solder, Type=ShroudedHeader
P2: library part CMP-2000-07082-1, "Male Header, Pitch 1 mm, 1 x 8 Position, Height 2.95 mm, -25 to 85 degC, RoHS, Tape and Reel", Manufacturer=JST, Package Description="Male Header, Pitch 1 mm, 1 x 8 Position, Height 2.95 mm", Package Reference=SM08B-SRSS-TB, Datasheet URL=http://www.jst-mfg.com/product/pdf/eng/eSR.pdf, Datasheet Version=11/2010, Manufacturer URL=http://www.jst.com/home2.html, Mounting Technology=SurfaceMount, No of Positions=8, Pitch=1mm, Style/Orientation=RightAngleHeader/Plug, Termination=Crimp, Type=ShroudedHeader
R1 R11 R28: library part "Res 100K", "Chipwiderstand, SMD, Baureihe MC, 1%", Manufacturer=Multicomp, OC_FARNELL=9330402, PackageReference=0603
R2 R9 R12 R13: library part "Res 12K", "Chipwiderstand, SMD, Baureihe MC, 1%", Manufacturer=Multicomp, OC_FARNELL=9330518, PackageReference=0603
R3 R29 R34: library part "Res 10K", "Chipwiderstand, SMD, Baureihe MC, 1%", Manufacturer=Multicomp, OC_FARNELL=9330399, PackageReference=0603
R4 R5: library part "Res 27R", "Chipwiderstand, Oberflächenmontage, Dickschicht, 27 ohm, 50 V, 0603 [Metrisch 1608], 100 mW, ± 1%", Manufacturer=Multicomp, OC_FARNELL=2447316, PackageReference=0603
R6 R32: library part "Res 47R", "Chipwiderstand, SMD, Baureihe MC, 1%", Manufacturer=Multicomp, OC_FARNELL=1576259, PackageReference=0603
R7 R8: library part "Res 5K6", "Chipwiderstand, SMD, Baureihe MC, 5%", Manufacturer=Multicomp, OC_FARNELL=9332219, PackageReference=0603
R10 R33 R35 R36: library part "Res 0R", "Chipwiderstand, SMD, Baureihe MC, 1%", Manufacturer=Multicomp, OC_FARNELL=9331662, PackageReference=0603
R14: library part "Res 22K", "Chipwiderstand, SMD, Baureihe MC, 1%", Manufacturer=Multicomp, OC_FARNELL=2447299, PackageReference=0603
R15: library part "Res 8K2", "Chipwiderstand, SMD, Baureihe MC, 1%", Manufacturer=Multicomp, OC_FARNELL=9331565, PackageReference=0603
R16 R17: library part "Res 3K3", "Chipwiderstand, SMD, Baureihe MC, 1%", Manufacturer=Multicomp, OC_FARNELL=9331026, PackageReference=0603
R18 R19 R20: library part "Res 150R", "MULTICOMP  MCWR06X1500FTL  Chipwiderstand, Oberflächenmontage, Dickschicht, 150 ohm, 50 V, 0603 [Metrisch 1608], 100 mW, ± 1%", Manufacturer=Multicomp, OC_FARNELL=2447255, PackageReference=0603
R21 R22: library part "Res 750R", "Chipwiderstand, SMD, Baureihe MC, 1%", Manufacturer=Multicomp, OC_FARNELL=9331506, PackageReference=0603
R23 R24 R25 R31 R37: library part "Res 1K", "Chipwiderstand, SMD, Baureihe MC, 1%", Manufacturer=Multicomp, OC_FARNELL=9330380, PackageReference=0603
R26 R27: library part "Res 4k7", "Chipwiderstand, SMD, Baureihe MC, 5%", Manufacturer=Multicomp, OC_FARNELL=9332154, PackageReference=0603
R30: library part "Res 33K", "Chipwiderstand, SMD, Baureihe MC, 1%", Manufacturer=Multicomp, OC_FARNELL=9331506, PackageReference=0603
U1: library part CMP-0859-00415-4, "IC GATE NAND 1CH 2-INP SC70-5", Case/Package=SC, High Level Output Current=-8mA, Low Level Output Current=8mA, Max Operating Temperature=125°C, Max Supply Voltage=5.5V, Min Operating Temperature=-40°C, Min Supply Voltage=2V, Package Quantity=1, Quiescent Current=1uA, Lead Free="Lead Free", Logic Function="NAND GATE", Mount="Surface Mount", Number of Bits=1, Number of Circuits=1, Number of Elements=1, Number of Gates=1, Number of Input Lines=2, Number of Inputs=2, Number of Output Lines=1, Number of Outputs=1, Number of Pins=5, Output Current=8mA, Packaging="Tape and Reel", Propagation Delay=7.5ns, Radiation Hardening=No, RoHS Compliant=Yes, Series=74AHC, Technology=CMOS
Y1: "Crystal or Oscillator", Manufacturer_Name="TAE(Zhejiang Abel Elec)", Manufacturer_Part_Number="SMD-3225_4P 12.288MHZ 12PF 10PPM -40~+85¡æ", Datasheet Link=https://datasheet.lcsc.com/szlcsc/1901241506_Zhejiang-Abel-Elec-SMD-3225-4P-12-288MHZ-12PF-10PPM-40-85_C362472.pdf, Height=0.8mm
Y2: library part SMD-3225_4P_12.288MHZ_12PF_10PPM_-40~+85, "Crystal or Oscillator", Manufacturer_Name="TAE(Zhejiang Abel Elec)", Manufacturer_Part_Number="SMD-3225_4P 12.288MHZ 12PF 10PPM -40~+85¡æ", Datasheet Link=https://datasheet.lcsc.com/szlcsc/1901241506_Zhejiang-Abel-Elec-SMD-3225-4P-12-288MHZ-12PF-10PPM-40-85_C362472.pdf, Height=0.8mm

## Via types
v1: diameter 0.45, hole 0.2, Top Layer to Bottom Layer, tented both sides, 626 vias
v2: diameter 0.45, hole 0.3, Top Layer to Bottom Layer, tented both sides, 140 vias
v3: diameter 0.6, hole 0.4, Top Layer to Bottom Layer, tented both sides, 6 vias
v4: diameter 0.6, hole 0.3, Top Layer to Bottom Layer, tented both sides, 4 vias

## Nets (pads, with @x,y where several pads share a name; then routed paths per layer and width w, separated by ;. In a path a pad name is that pad's centre, name@x,y a point inside that pad or via, vN(x,y) a via of type N, cw(c..) or ccw(c..) an arc to the next point about the centre after c; other vN are vias at no path point)
3V3: C17.1 C18.2 C19.2 C25.2 C26.2 C27.2 C28.2 C29.2 C30.2 C37.2 C38.2 C42.2 D12.5 IC2.8 IC5.8 IC6.5 IC6.8 J1.1 J1.10 J1.22 J1.26 J1.33 J1.42 J1.43 J1.44 J1.48 J1.49 P31.1 P31.2 R18.2 R26.2 R27.2 R33.2 U1.5 | length 91
  Top Layer w0.2: J1.26@12.862,19.862 13.483,19.862 13.6,19.745 13.6,19.699 v2@13.702,19.597 ; J1.22@12.862,21.462 13.6,21.462 13.936,21.799 v2(14,21.799) ; v2(13.702,19.425) v2@13.702,19.597 ; J1.33@15.3,18.224 15.3,18.562 15.202,18.66 15.202,18.745 14.819,19.128 14.171,19.128 v2@13.702,19.597 ; v2(15.3,24.2) J1.10@15.3,25.1 ; 15.513,13.463 16.327,13.463 16.502,13.638 16.502,14.45 16.452,14.5 IC6.8@16.45,14.5 ; v2(18.836,21.534) 18.884,21.487 19.053,21.487 19.077,21.462 J1.49@19.738,21.462 ; v2(18.847,20.953) 18.895,21.001 19.068,21.001 19.13,21.062 J1.48@19.738,21.062 ; J1.42@18.9,18.224 18.9,18.883 19.025,19.008 v2(19.025,19.075) 19.038,19.062 J1.43@19.738,19.062 J1.44@19.738,19.462 ; J1.1@18.9,25.1 18.9,25.438 19.066,25.438 v2(19.1,25.472) ; IC5.8@19.475,29.017 19.552,29.094 19.552,29.652 v2(19.6,29.7)
  Top Layer w0.3: IC6.5@14.75,14.3 14.75,13.58 14.783,13.547 v2(14.783,13.483) 14.783,12.767 C19.2@14.8,12.75 ; 15.513,13.463 C19.2@14.8,12.75 ; D12.5@19.1,13.45 18.982,13.332 18.982,12.682 18.7,12.4 18.05,12.4 16.925,11.275 15.601,11.275 15.062,11.814 15.062,12.438 C19.2@14.8,12.7 C19.2@14.8,12.75
  Bottom Layer w0.102: R18.2@21.15,5.7 R18.2@21.2,5.7
  Bottom Layer w0.15: R33.2@16.725,9.175 17.618,8.282 17.618,7.707 17.925,7.4 19.45,7.4 R18.2@21.15,5.7
  Bottom Layer w0.2: C27.2@13.3,21.9 13.3,21.95 13.65,22.3 14.065,22.3 14.398,22.634 14.398,24.148 ; C29.2@18.7,24.9 19.05,25.25 19.05,25.354 19.1,25.404 v2(19.1,25.472)
  Bottom Layer w0.3: C25.2@13.3,19.15 14.15,18.3 19.5,18.3 ; C25.2@13.3,19.2 C25.2@13.3,19.25 ; v2(13.702,19.425) 13.475,19.425 C25.2@13.3,19.25 ; v2(14,21.799) 13.401,21.799 C27.2@13.3,21.9 13.3,21.85 13,21.55 12.944,21.55 12.598,21.204 12.598,19.952 C25.2@13.3,19.25 ; 14.398,24.148 15.05,24.8 C28.2@15.1,24.8 ; C18.2@14.5,14.05 14.8,14.05 14.8,13.75 16.7,11.85 ; v2(15.3,24.2) 15.3,24.6 C28.2@15.1,24.8 ; R33.2@16.7,9.2 16.7,11.85 ; R27.2@17.8,28.7 C17.1@19.4,28.7 ; C29.2@18.7,24.9 18.55,24.75 17.676,24.75 17.526,24.6 16.8,24.6 R26.2@16.5,24.3 16.45,24.3 16.2,24.55 16.2,24.566 15.966,24.8 C28.2@15.1,24.8 ; v2(18.836,21.534) 18.852,21.55 19.2,21.55 19.2,21.6 C26.2@19.5,21.9 ; v2(18.847,20.953) 18.891,20.909 19.141,20.909 C30.2@19.5,20.55 ; v2(19.025,19.075) 19.475,19.075 C42.2@19.5,19.1 ; v2(19.6,29.7) 19.6,29.632 19.4,29.432 C17.1@19.4,28.7 ; v1(23.5,29.5) 21.153,27.153 ; v1(25.38,21.098) 25.38,20.52 C38.2@25.6,20.3 C37.2@24.3,20.3 24.25,20.3 23.15,21.4 23.15,23.256 U1.5@22.35,24.056 ; 16.7,11.85 16.731,11.85 17.95,13.069 17.95,16.75 19.5,18.3 ; C17.1@19.4,28.7 19.7,28.4 20.056,28.4 21.153,27.303 21.153,27.153 ; 19.5,18.3 C42.2@19.5,19.1 ; C42.2@19.5,19.1 C30.2@19.5,20.5 C30.2@19.5,20.55 ; C30.2@19.5,20.55 C26.2@19.5,21.9 ; C26.2@19.5,21.9 19.5,21.95 19.75,22.2 20.494,22.2 U1.5@22.35,24.056 ; 21.153,27.153 21.153,25.969 21.783,25.339 22.296,25.339 22.35,25.286 U1.5@22.35,24.686 U1.5@22.35,24.056
  other v1: 23.5,29 23,29.5 24,29.5 23.5,30
4V5: C21.1 C24.2 D11.2 D13.2 IC7.7 IC7.8 P34.1 P34.2 P36.1 P36.2 R17.2 | length 45.8
  Top Layer w0.15: v2@17.362,6.376 18.126,6.376 19.45,7.7 v2(20.05,7.7)
  Top Layer w0.3: IC7.7@15.825,6.1 IC7.8@16.475,6.1 16.475,6.175 16.5,6.2 17.097,6.2 17.297,6.4 v2(17.337,6.4) v2@17.362,6.376
  Top Layer w0.4: C21.1@14.85,4.9 14.94,4.81 15.59,4.81 v2(15.6,4.8) 15.61,4.81 16.46,4.81 C24.2@16.5,4.85
  Mid Layer 2 w0.6: v2(-1.5,4) -0.3,5.2 -0.3,12.666 1.134,14.1 8.734,14.1 16.434,6.4 v2(17.337,6.4)
  Bottom Layer w0.15: v2(20.05,7.7) 20.058,7.692 20.458,7.692 22.45,5.7 R17.2@22.5,5.7
  Bottom Layer w0.4: D13.2@14.65,5.2 14.65,5.1 14.95,4.8 v2(15.6,4.8)
  Bottom Layer w0.6: D13.2@14.65,5.2 14.65,5.45 14.85,5.65 15.2,5.65 D11.2@16.6,7.05 ; D11.2@16.6,7.3 D11.2@16.6,7.05 ; v2(17.337,6.4) 17.25,6.4 D11.2@16.6,7.05
  other v1: -1.5,3.5 -2,4 -1,4 -1.5,4.5 1,13.5
  other v2: 1.4,14.1
5V: C14.2 C15.1 D11.1 FB1.1 IC4.3 IC4.24 IC8.5 J2.3 P29.1 P29.2 P30.1 P30.2 P32.1 P32.2 R10.2 R16.2 R23.2 R24.2 R25.2 | length 124
  Top Layer w0.15: v2(17.801,6.924) 17.849,6.924 19.212,8.287 v2(19.836,8.287)
  Top Layer w0.2: J2.3@1.76,18.5 0.813,19.447 0.813,20.613 2,21.8 4.5,21.8 5.3,22.6 C15.1@5.3,24.1 ; v2(4.627,24.1) C15.1@5.3,24.1 ; v3(13.175,26.5) 13.141,26.534 13.141,27.359 13,27.5 6.365,27.5 6,27.135 6,24.85 5.3,24.15 C15.1@5.3,24.1 ; v2(20.8,13) 21.45,12.35 IC8.5@21.45,11.75
  Top Layer w0.8: v1(1,9) 1.25,9.25 1.25,9.525 2.398,10.673 2.398,11.258 2.6,11.459 v2(2.6,12.5) ; 1.5,18.5 1,18 1,16.5 2.6,14.9 v2(2.6,12.5) ; J2.3@1.76,18.5 3.284,18.5 4.034,17.75 4.45,17.75 R24.2@4.5,17.7 R25.2@6,17.7 R23.2@7.5,17.7 7.55,17.65 8.3,17.65 v3(8.5,17.45) ; R10.2@3.4,12.2 3.35,12.25 2.85,12.25 v2(2.6,12.5)
  Mid Layer 2 w0.102: 16.5,5.2 16.777,5.2 17.826,6.249 17.826,6.899 v2(17.801,6.924)
  Mid Layer 2 w0.2: 20.15,15 20.15,13.65 v2(20.8,13)
  Mid Layer 2 w0.8: v2(2.6,11.9) 9.8,11.9 v3(12.4,9.3) 16.5,5.2 16.5,1.6 ; 16.5,1.6 v4(16.2,1.3) v4(16.2,0.7) v4(16.8,0.7) v4(16.8,1.3) 16.5,1.6
  Mid Layer 2 w1: v3(8.5,17.45) 11.977,17.45 14.427,15 20.15,15 25,15 29,19 29,21.5 27.3,23.2 27.3,30.2 v2(26,31.5) ; v2(26,32.498) 25.998,32.498 v2(25.5,32) v2(26,31.5) ; v2(26.5,32) v2(26,31.5)
  Bottom Layer w0.15: v2(19.836,8.287) 20.405,8.287 21.792,6.9 22.55,6.9 23.75,5.7 R16.2@23.8,5.7
  Bottom Layer w0.2: IC4.3@10.838,25.425 10.963,25.55 11.635,25.55 12.017,25.932 12.632,25.932 13.05,26.35 13.064,26.35 13.064,26.389 v3(13.175,26.5)
  Bottom Layer w0.5: v3(12.4,9.3) 12.4,8.6 D11.1@13.7,7.3
  Bottom Layer w0.8: FB1.1@3.5,12.3 3,12.3 ; 3,12.3 v2(2.6,11.9) v2(2.6,12.5) 2.8,12.3 3,12.3
  other v1: 1,8.5 0.5,9 1.5,9 1,9.5
5V_REF: C16.1 IC4.19 IC4.21 R36.2 | length 11.4
  Top Layer w0.2: v2(3.641,20.962) 5.662,20.962 C16.1@5.7,21 ; v2(3.651,17.002) 4.017,16.635 4.665,16.635 R36.2@4.7,16.6
  Bottom Layer w0.2: v2(3.651,17.002) 3.623,17.002 2.8,17.825 2.8,20.061 3.641,20.901 v2(3.641,20.962) ; IC4.19@4.962,20.875 3.796,20.875 3.708,20.962 v2(3.641,20.962) ; IC4.21@4.962,22.175 4.837,22.05 4.239,22.05 3.677,21.487 3.677,20.999 v2(3.641,20.962)
10V: C4.2 C5.2 D1.2 J3.1 L1.2 P28.1 P28.2 R1.2 R15.2 | length 56.3
  Top Layer w0.6: J3.1@15.1,28.55 15.1,28.075 v3(15.575,27.6) ; C5.2@21.8,16.95 21.825,16.975 24.975,16.975 L1.2@25,17 25.9,17 26.25,17.35 v3(26.25,18.225)
  Mid Layer 2 w0.15: v2(23,8.594) 25.525,11.119 26.8,12.394 26.8,15.224 v2(26.774,15.25)
  Mid Layer 2 w0.6: v2(3.9,31.5) 3.575,31.825 v2(3.575,32.2) 3.825,32.45 v2(4.1,32.45) 4.55,32 4.55,31.45 8.4,27.6 v3(15.575,27.6) 15.8,27.6 17.962,27.6 22.106,23.456 22.106,23.45 26.25,19.306 v3(26.25,18.225)
  Bottom Layer w0.102: D1.2@25.1,17.2 v1(25.47,17.2) 26.319,16.351 26.319,15.781 26.774,15.326 v2(26.774,15.25)
  Bottom Layer w0.15: v2(23,8.594) 23,7.5 23.5,7 23.8,7 24.675,6.125 24.675,6.075 25.05,5.7 R15.2@25.1,5.7
  Bottom Layer w0.2: C4.2@27.8,17.5 27.8,17.45 27.8,15.9 R1.2@27.9,15.8
  Bottom Layer w0.4: v1(25.47,17.2) 27.55,17.2 C4.2@27.8,17.45
  other v1: 24.8,16.55 24.625,17.175 25.875,17.7
  other v2: 4.5,32
Activity: J1.14 P43.1 P43.2 R20.2 | length 72.8
  Top Layer w0.15: J1.14@13.7,25.1 13.7,27.181 13.6,27.281 13.6,29.48 14.306,30.186 14.979,30.186 15.858,29.308 v2(15.858,29.252)
  Bottom Layer w0.15: v2(15.858,29.252) 17.231,30.625 19.031,30.625 19.949,31.543 19.949,32.5 20.423,32.973 26.419,32.973 27.171,32.221 27.171,29.379 30.7,25.851 30.7,19.7 32.3,18.1 32.3,11.2 30.598,9.498 30.598,3.547 30.248,3.198 29.879,2.828 26.554,2.828 22.532,-1.194 21.806,-1.194 v1(21.5,-1.5) v1(21.5,-1) 21.5,0 17.923,3.577 17.923,4.727 18.175,4.979 18.175,5.325 18.55,5.7 R20.2@18.6,5.7
  other v1: 21.5,-2
CC1: D3.6 P1.4 R8.2 | length 5.7
  Top Layer w0.15: v2(7.236,1.974) 8.197,2.935 8.197,3.597 P1.4@8.25,3.65
  Bottom Layer w0.15: v2(7.236,1.974) 7.236,0.736 R8.2@7.05,0.55 7.1,0.55 8.4,-0.75 D3.6@8.4,-1
CC2: D3.4 P1.10 R7.2 | length 6.7
  Top Layer w0.15: P1.10@11.25,3.65 11.25,2.35 v2(12.7,0.9)
  Bottom Layer w0.15: D3.4@10.3,-1 10.3,-0.75 10.525,-0.525 10.625,-0.525 11.7,0.55 R7.2@11.75,0.55 12.1,0.9 v2(12.7,0.9)